# Altium PCB Netscale48HD_Sensorbar_Slave.PcbDoc (part 1 of 3)
Units mm, origin at the board's own origin, x right, y up, seen from the top; angles counter-clockwise.
Board outline 461.31 x 16.8 mm, 6 copper layers (Top Layer, PWR_Layer, Top_Signal_Layer, Bottom_Signal_Layer, GND_Layer, Bottom Layer), stack 0.778 mm thick; 214 components, 131 nets, 657 pads, 295 vias.
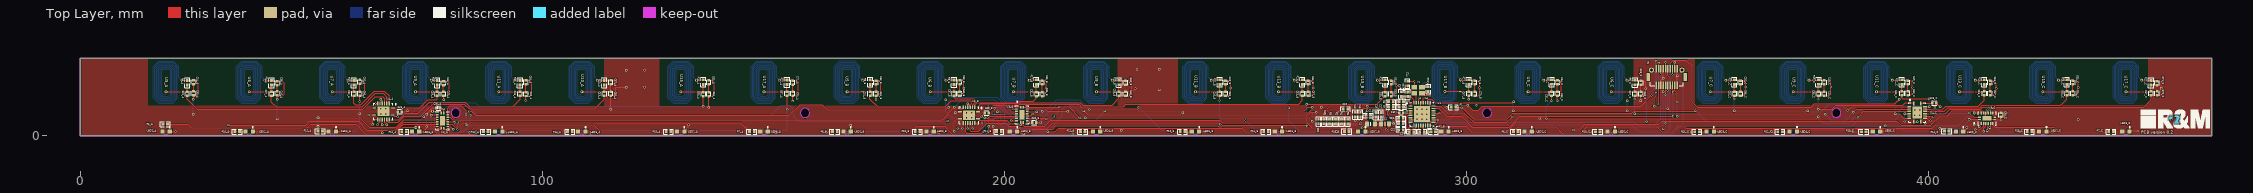
[diagram p0: Top Layer view]
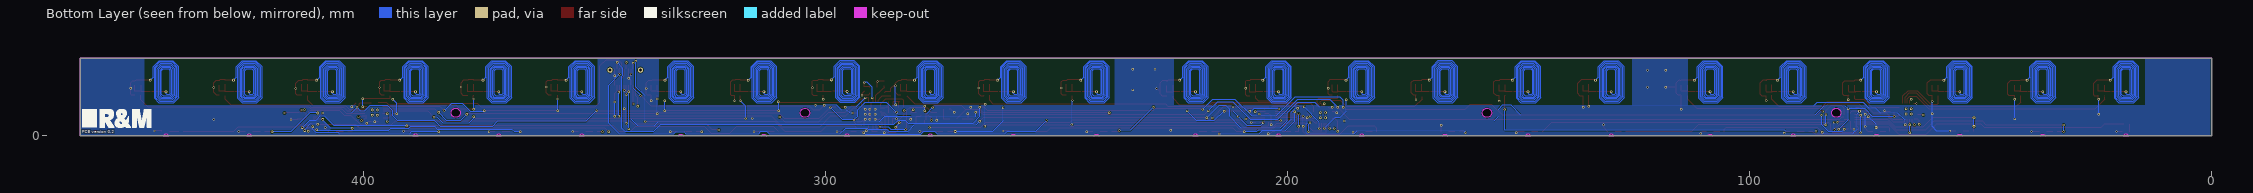
[diagram p1: Bottom Layer view, seen from below]
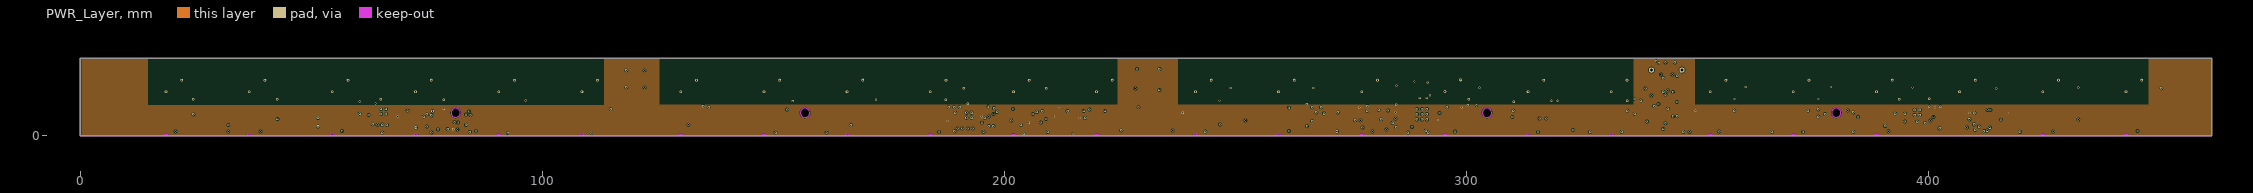
[diagram p2: PWR_Layer]
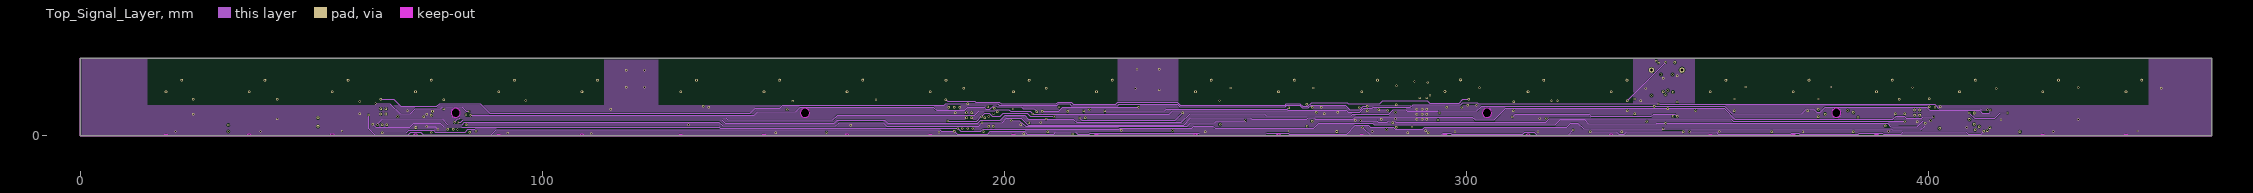
[diagram p3: Top_Signal_Layer]
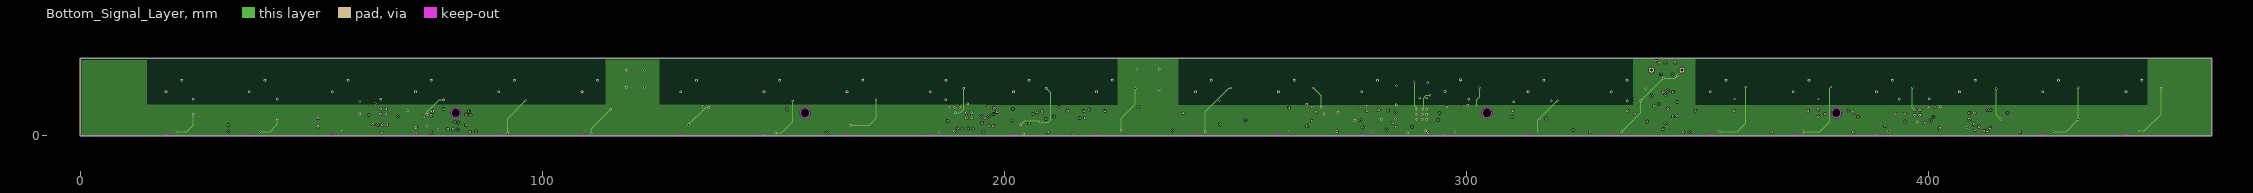
[diagram p4: Bottom_Signal_Layer]
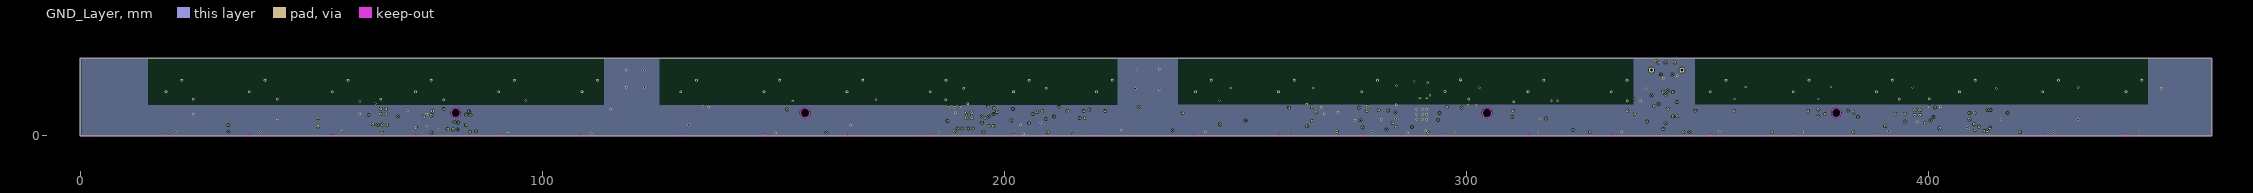
[diagram p5: GND_Layer]
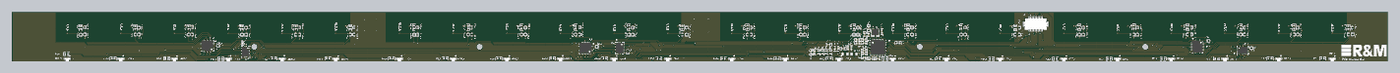
[diagram p8: 3D render of the assembled board from above, using the file's embedded part models]

## Layer stack, top to bottom
Top Solder: solder mask 0.0102, Solder Resist, Dk 3.5
Top Layer: signal copper 0.0356
Dielectric 4: prepreg 0.0711, PP-006, Dk 4.1
PWR_Layer: signal copper 0.035
Dielectric 1: core 0.1479, FR-4, Dk 4.2
Top_Signal_Layer: signal copper 0.036
Dielectric 2: prepreg 0.127, Dk 4.2
Bottom_Signal_Layer: signal copper 0.036
Dielectric 5: core 0.1479, FR-4, Dk 4.5
GND_Layer: signal copper 0.035
Dielectric 3: prepreg 0.0711, PP-006, Dk 4.1
Bottom Layer: signal copper 0.0356
Bottom Solder: solder mask 0.0102, Solder Resist, Dk 3.5

## Board outline
0,0 -0.006,16.8 461.3,16.8 461.301,0
cut-out: 379.05,5 ccw(c380.05,5) 380.05,4 ccw(c380.05,5) 381.05,5 ccw(c380.05,5) 380.05,6 ccw(c380.05,5)
cut-out: 303.45,5 ccw(c304.45,5) 304.45,4 ccw(c304.45,5) 305.45,5 ccw(c304.45,5) 304.45,6 ccw(c304.45,5)
cut-out: 155.85,5 ccw(c156.85,5) 156.85,4 ccw(c156.85,5) 157.85,5 ccw(c156.85,5) 156.85,6 ccw(c156.85,5)
cut-out: 80.25,5 ccw(c81.25,5) 81.25,4 ccw(c81.25,5) 82.25,5 ccw(c81.25,5) 81.25,6 ccw(c81.25,5)
cut-out: 442.185,0 cw(c442.75,-0.202) 443.315,0
cut-out: 424.194,0 cw(c424.75,-0.202) 425.306,0
cut-out: 388.185,0 cw(c388.75,-0.202) 389.315,0
cut-out: 370.185,0 cw(c370.75,-0.202) 371.315,0
cut-out: 352.185,0 cw(c352.75,-0.202) 353.315,0
cut-out: 330.785,0 331.915,0 ccw(c331.35,-0.202)
cut-out: 312.785,0 313.915,0 ccw(c313.35,-0.202)
cut-out: 294.786,0.002 cw(c295.35,-0.202) 295.914,0.002 295.914,0
cut-out: 276.785,0 cw(c277.35,-0.202) 277.915,0
cut-out: 258.785,0 259.915,0 ccw(c259.35,-0.202)
cut-out: 240.785,0 241.915,0 ccw(c241.35,-0.202)
cut-out: 219.385,0 cw(c219.95,-0.202) 220.515,0
cut-out: 201.383,0 cw(c201.95,-0.197) 202.517,0
cut-out: 183.385,0.001 cw(c183.95,-0.202) 184.515,0
cut-out: 165.385,0 166.515,0 ccw(c165.95,-0.202)
cut-out: 147.385,0.001 cw(c147.95,-0.202) 148.515,0
cut-out: 129.385,0 cw(c129.95,-0.202) 130.515,0.001 130.515,0
cut-out: 107.985,0 109.115,0 ccw(c108.55,-0.202)
cut-out: 89.985,0 cw(c90.55,-0.202) 91.115,0.001 91.115,0
cut-out: 71.985,0 73.115,0 ccw(c72.55,-0.202)
cut-out: 53.96,0 55.14,0 ccw(c54.55,-0.202)
cut-out: 35.985,0 37.115,0 ccw(c36.55,-0.202)
cut-out: 17.985,0 cw(c18.55,-0.202) 19.115,0

## Design rules (kind name [scope] priority, off if disabled: settings)
Clearance Clearance_BGA [WithinRoom('BGA') vs OnLayer('Top Layer')] p1: gap=0.08 ignorepadtopadclearanceinfootprint=TRUE
Clearance [All] p2: gap=0.127 ignorepadtopadclearanceinfootprint=TRUE
ComponentClearance [All] p1: gap=0 collisioncheckmode=3 verticalgap=0.15 showdistances=FALSE
HoleSize [All] p1: absolutevalues=TRUE maxlimit=2.54 minlimit=0.025 maxpercent=80.000 minpercent=20.000
HoleToHoleClearance [All] p1: gap=0.15 allowstackedmicrovias=TRUE
MinimumSolderMaskSliver [All] p1: minsoldermaskwidth=0
NetAntennae [All] p1: netantennaetolerance=1
PolygonConnect Via [IsVia] p1: connectstyle=Direct reliefconductorwidth=0.254 reliefentries=4 polygonreliefangle="90 Angle" airgapwidth=0.254
PolygonConnect [All] p2: connectstyle=Relief reliefconductorwidth=0.254 reliefentries=4 polygonreliefangle="90 Angle" airgapwidth=0.15
RoomDefinition Designator [InComponentClass('Designator')] p1: confinementstyle=ConfineIn formatcopy=TRUE lockcomponents=FALSE outline -0.738,0 461.812,0 461.812,16.921 -0.738,16.921
RoomDefinition Designator_1 [InComponentClass('Designator')] p2: confinementstyle=ConfineIn formatcopy=TRUE lockcomponents=FALSE outline -0.658,-0.007 461.843,-0.007 461.843,16.921 -0.658,16.921
RoutingVias RoutingVias_BGA [WithinRoom('BGA')] p1: holewidth=0.1 width=0.25 viastyle="Through Hole" minholewidth=0.1 minwidth=0.25 maxholewidth=0.1 maxwidth=0.25
RoutingVias [All] p2: holewidth=0.3 width=0.5 viastyle="Through Hole" minholewidth=0.3 minwidth=0.5 maxholewidth=0.3 maxwidth=1.27
SilkToSilkClearance [All] p1: silktosilkclearance=0
SilkToSolderMaskClearance [IsPad] p1: minsilkscreentomaskgap=0 clearancetoexposedcopper=TRUE
SolderMaskExpansion [All] p1: expansion=0.102
Width width_BGA [WithinRoom('BGA')] p1: maxlimit=0.5 minlimit=0.13 preferedwidth=0.15 toplayer_prefwidth=0.13 midlayer1_minwidth=0.15 midlayer2_minwidth=0.15 midlayer3_prefwidth=0.13 midlayer4_prefwidth=0.13 bottomlayer_minwidth=0.15 minimp=50.000000 maximp=50.000000 favimp=50.000000
Width [All] p2: maxlimit=0.508 minlimit=0.15 preferedwidth=0.203 toplayer_minwidth=0.152 midlayer1_minwidth=0.152 midlayer2_minwidth=0.152 midlayer3_maxwidth=0.5 midlayer3_prefwidth=0.15 midlayer4_maxwidth=0.5 midlayer4_prefwidth=0.15 bottomlayer_minwidth=0.152 minimp=50.000000 maximp=50.000000 favimp=50.000000
23 further rules are at their usual default settings.

## Classes and differential pairs
channel class Netscale48HD_Antenna_Selector: A B C
component class Designator: *1 C1 C2 C3 C4 C5 C6 C7 C8 C9 C10 C11 C12 C13 C14 C15 C16 C17 C18 C19 C20 C21 FB1 L1 L2 R1 R2 R3 R4 R5 U1 Y1
net class S0A[1..3]: S0A1 S0A2 S0A3
net class OE[1..3]: OE1 OE2 OE3

## Components (designator, comment, footprint, x,y, rotation, side; value= is the part's Value field where it differs from the comment)
*1 "Reichle & De-Massari Logo" SYMBOL_R&M 453.465,3.548 r0 top
*2 "Reichle & De-Massari Logo" SYMBOL_R&M 453.389,3.557 r180 top value=Overlay
C1 "10nF" "Ceramic Capacitor 0402 EIA" 290.39,0.934 r180 top
C2 "2.2uF" "Ceramic Capacitor 0402 EIA" 288.097,0.939 r0 top
C3 "10nF" "Ceramic Capacitor 0402 EIA" 285.871,9.054 r270 top
C4 "2.2uF" "Ceramic Capacitor 0402 EIA" 287.291,9.039 r270 top
C5 "10nF" "Ceramic Capacitor 0402 EIA" 285.896,7.375 r0 top
C6 "2.2uF" "Ceramic Capacitor 0402 EIA" 285.896,6.223 r0 top
C7 "10nF" "Ceramic Capacitor 0402 EIA" 283.658,6.232 r180 top
C8 "2.2uF" "Ceramic Capacitor 0402 EIA" 283.658,7.375 r180 top
C9 "10nF" "Ceramic Capacitor 0402 EIA" 285.825,2.62 r0 top
C10 "2.2uF" "Ceramic Capacitor 0402 EIA" 285.825,3.81 r0 top
C11 "10pF" "Ceramic Capacitor 0402 EIA" 278.743,4.444 r0 top
C12 "3.3nF" "Ceramic Capacitor 0402 EIA" 285.825,1.372 r0 top
C13 "15pF" "Ceramic Capacitor 0402 EIA" 291.757,10.135 r90 top
C14 "15pF" "Ceramic Capacitor 0402 EIA" 287.276,11.353 r270 top
C15 "1.2nF" "Ceramic Capacitor 0402 EIA" 277.08,4.615 r270 top
C16 "3.3nF" "Ceramic Capacitor 0402 EIA" 280.384,4.597 r270 top
C17 "3.3nF" "Ceramic Capacitor 0402 EIA" 281.527,4.597 r90 top
C18 "1.2nF" "Ceramic Capacitor 0402 EIA" 275.937,4.615 r90 top
C19 "2.2uF" "Ceramic Capacitor 0402 EIA" 273.84,5.808 r0 top
C20 "2.2uF" "Ceramic Capacitor 0402 EIA" 269.145,3.12 r270 top
C21 "10nF" "Ceramic Capacitor 0402 EIA" 267.986,3.12 r270 top
C28_A "LMK105BJ104KV-F" CAPC1005X55N 69.124,5.25 r180 top value=100nF (schematic designator C28)
C28_B "LMK105BJ104KV-F" CAPC1005X55N 196.163,4.973 r180 top value=100nF (schematic designator C28)
C28_C "LMK105BJ104KV-F" CAPC1005X55N 401.248,7.1 r180 top value=100nF (schematic designator C28)
C30_A "LMK105BJ104KV-F" CAPC1005X55N 77.482,6.05 r0 top value=100nF (schematic designator C30)
C30_B "LMK105BJ104KV-F" CAPC1005X55N 206.47,2.896 r180 top value=100nF (schematic designator C30)
C30_C "LMK105BJ104KV-F" CAPC1005X55N 415.692,4.546 r90 top value=100nF (schematic designator C30)
C31_A "GCM1555C1H221FA16D" CAPC1005X55N 23.132,9.088 r90 top value=220pF (schematic designator C31)
C31_B "GCM1555C1H221FA16D" CAPC1005X55N 170.942,9.135 r90 top value=220pF (schematic designator C31)
C31_C "GCM1555C1H221FA16D" CAPC1005X55N 318.428,9.149 r90 top value=220pF (schematic designator C31)
C32_A "GCM1555C1H221FA16D" CAPC1005X55N 59.212,9.136 r90 top value=220pF (schematic designator C32)
C32_B "GCM1555C1H221FA16D" CAPC1005X55N 206.927,9.073 r90 top value=220pF (schematic designator C32)
C32_C "GCM1555C1H221FA16D" CAPC1005X55N 357.992,9.119 r90 top value=220pF (schematic designator C32)
C33_A "GRM1555C1H151FA01D" CAPC1005X55N 24.492,9.198 r90 top value=150pF (schematic designator C33)
C33_B "GRM1555C1H151FA01D" CAPC1005X55N 172.212,11.565 r270 top value=150pF (schematic designator C33)
C33_C "GRM1555C1H151FA01D" CAPC1005X55N 319.698,9.149 r90 top value=150pF (schematic designator C33)
C34_A "GJM1555C1H4R7WB01D" CAPC1005X55N 24.492,11.638 r270 top value=4.7pF (schematic designator C34)
C34_B "GJM1555C1H4R7WB01D" CAPC1005X55N 172.212,9.135 r90 top value=4.7pF (schematic designator C34)
C34_C "GJM1555C1H4R7WB01D" CAPC1005X55N 319.698,11.591 r270 top value=4.7pF (schematic designator C34)
C35_A "GRM1555C1H151FA01D" CAPC1005X55N 60.482,11.678 r270 top value=150pF (schematic designator C35)
C35_B "GRM1555C1H151FA01D" CAPC1005X55N 208.197,9.073 r90 top value=150pF (schematic designator C35)
C35_C "GRM1555C1H151FA01D" CAPC1005X55N 359.338,11.565 r270 top value=150pF (schematic designator C35)
C36_A "GJM1555C1H4R7WB01D" CAPC1005X55N 60.482,9.126 r90 top value=4.7pF (schematic designator C36)
C36_B "GJM1555C1H4R7WB01D" CAPC1005X55N 208.197,11.565 r270 top value=4.7pF (schematic designator C36)
C36_C "GJM1555C1H4R7WB01D" CAPC1005X55N 359.341,9.102 r90 top value=4.7pF (schematic designator C36)
C37_A "GCM1555C1H221FA16D" CAPC1005X55N 41.365,9.11 r90 top value=220pF (schematic designator C37)
C37_B "GCM1555C1H221FA16D" CAPC1005X55N 189.092,9.123 r90 top value=220pF (schematic designator C37)
C37_C "GCM1555C1H221FA16D" CAPC1005X55N 336.485,9.103 r90 top value=220pF (schematic designator C37)
C38_A "GRM1555C1H151FA01D" CAPC1005X55N 42.642,11.438 r270 top value=150pF (schematic designator C38)
C38_B "GRM1555C1H151FA01D" CAPC1005X55N 190.311,11.65 r270 top value=150pF (schematic designator C38)
C38_C "GRM1555C1H151FA01D" CAPC1005X55N 337.755,11.489 r270 top value=150pF (schematic designator C38)
C39_A "GCM1555C1H221FA16D" CAPC1005X55N 77.202,9.096 r90 top value=220pF (schematic designator C39)
C39_B "GCM1555C1H221FA16D" CAPC1005X55N 224.791,9.108 r90 top value=220pF (schematic designator C39)
C39_C "GCM1555C1H221FA16D" CAPC1005X55N 376.194,9.107 r90 top value=220pF (schematic designator C39)
C40_A "GJM1555C1H4R7WB01D" CAPC1005X55N 42.635,9.19 r90 top value=4.7pF (schematic designator C40)
C40_B "GJM1555C1H4R7WB01D" CAPC1005X55N 190.286,9.123 r90 top value=4.7pF (schematic designator C40)
C40_C "GJM1555C1H4R7WB01D" CAPC1005X55N 337.755,9.103 r90 top value=4.7pF (schematic designator C40)
C42_A "GRM1555C1H151FA01D" CAPC1005X55N 78.593,9.096 r90 top value=150pF (schematic designator C42)
C42_B "GRM1555C1H151FA01D" CAPC1005X55N 226.199,11.507 r270 top value=150pF (schematic designator C42)
C42_C "GRM1555C1H151FA01D" CAPC1005X55N 377.464,9.107 r90 top value=150pF (schematic designator C42)
C43_A "GJM1555C1H4R7WB01D" CAPC1005X55N 78.593,11.438 r270 top value=4.7pF (schematic designator C43)
C43_B "GJM1555C1H4R7WB01D" CAPC1005X55N 226.199,9.092 r90 top value=4.7pF (schematic designator C43)
C43_C "GJM1555C1H4R7WB01D" CAPC1005X55N 377.464,11.591 r270 top value=4.7pF (schematic designator C43)
C46_A "GCM1555C1H221FA16D" CAPC1005X55N 95.166,9.098 r90 top value=220pF (schematic designator C46)
C46_B "GCM1555C1H221FA16D" CAPC1005X55N 246.593,9.14 r90 top value=220pF (schematic designator C46)
C46_C "GCM1555C1H221FA16D" CAPC1005X55N 394.233,9.199 r90 top value=220pF (schematic designator C46)
C49_A "GRM1555C1H151FA01D" CAPC1005X55N 96.436,9.074 r90 top value=150pF (schematic designator C49)
C49_B "GRM1555C1H151FA01D" CAPC1005X55N 247.863,11.565 r270 top value=150pF (schematic designator C49)
C49_C "GRM1555C1H151FA01D" CAPC1005X55N 395.503,11.565 r270 top value=150pF (schematic designator C49)
C50_A "GJM1555C1H4R7WB01D" CAPC1005X55N 96.436,11.608 r270 top value=4.7pF (schematic designator C50)
C50_B "GJM1555C1H4R7WB01D" CAPC1005X55N 247.863,9.12 r90 top value=4.7pF (schematic designator C50)
C50_C "GJM1555C1H4R7WB01D" CAPC1005X55N 395.503,9.228 r90 top value=4.7pF (schematic designator C50)
C53_A "GCM1555C1H221FA16D" CAPC1005X55N 113.413,9.144 r90 top value=220pF (schematic designator C53)
C53_B "GCM1555C1H221FA16D" CAPC1005X55N 264.495,9.123 r90 top value=220pF (schematic designator C53)
C53_C "GCM1555C1H221FA16D" CAPC1005X55N 412.083,9.195 r90 top value=220pF (schematic designator C53)
C56_A "GRM1555C1H151FA01D" CAPC1005X55N 114.795,9.149 r90 top value=150pF (schematic designator C56)
C56_B "GRM1555C1H151FA01D" CAPC1005X55N 265.765,11.565 r270 top value=150pF (schematic designator C56)
C56_C "GRM1555C1H151FA01D" CAPC1005X55N 413.362,11.565 r270 top value=150pF (schematic designator C56)
C57_A "GJM1555C1H4R7WB01D" CAPC1005X55N 114.795,11.618 r270 top value=4.7pF (schematic designator C57)
C57_B "GJM1555C1H4R7WB01D" CAPC1005X55N 265.765,9.123 r90 top value=4.7pF (schematic designator C57)
C57_C "GJM1555C1H4R7WB01D" CAPC1005X55N 413.362,9.218 r90 top value=4.7pF (schematic designator C57)
C60_A "GCM1555C1H221FA16D" CAPC1005X55N 134.839,9.054 r90 top value=220pF (schematic designator C60)
C60_B "GCM1555C1H221FA16D" CAPC1005X55N 282.399,9.063 r90 top value=220pF (schematic designator C60)
C60_C "GCM1555C1H221FA16D" CAPC1005X55N 429.971,9.202 r90 top value=220pF (schematic designator C60)
C63_A "GRM1555C1H151FA01D" CAPC1005X55N 136.007,11.588 r270 top value=150pF (schematic designator C63)
C63_B "GRM1555C1H151FA01D" CAPC1005X55N 283.72,9.063 r90 top value=150pF (schematic designator C63)
C63_C "GRM1555C1H151FA01D" CAPC1005X55N 431.241,11.565 r270 top value=150pF (schematic designator C63)
C64_A "GJM1555C1H4R7WB01D" CAPC1005X55N 136.007,9.054 r90 top value=4.7pF (schematic designator C64)
C64_B "GJM1555C1H4R7WB01D" CAPC1005X55N 283.72,11.565 r270 top value=4.7pF (schematic designator C64)
C64_C "GJM1555C1H4R7WB01D" CAPC1005X55N 431.241,9.202 r90 top value=4.7pF (schematic designator C64)
C67_A "GCM1555C1H221FA16D" CAPC1005X55N 152.942,9.151 r90 top value=220pF (schematic designator C67)
C67_B "GCM1555C1H221FA16D" CAPC1005X55N 300.516,9.149 r90 top value=220pF (schematic designator C67)
C67_C "GCM1555C1H221FA16D" CAPC1005X55N 448.177,9.198 r90 top value=220pF (schematic designator C67)
C70_A "GRM1555C1H151FA01D" CAPC1005X55N 154.187,9.149 r90 top value=150pF (schematic designator C70)
C70_B "GRM1555C1H151FA01D" CAPC1005X55N 301.786,9.1 r90 top value=150pF (schematic designator C70)
C70_C "GRM1555C1H151FA01D" CAPC1005X55N 449.51,9.198 r90 top value=150pF (schematic designator C70)
C71_A "GJM1555C1H4R7WB01D" CAPC1005X55N 154.187,11.54 r270 top value=4.7pF (schematic designator C71)
C71_B "GJM1555C1H4R7WB01D" CAPC1005X55N 301.786,11.565 r270 top value=4.7pF (schematic designator C71)
C71_C "GJM1555C1H4R7WB01D" CAPC1005X55N 449.488,11.438 r270 top value=4.7pF (schematic designator C71)
FB1 "BK1005HS102-T" CAPC1005X55N 285.871,5.029 r180 top
J3 "DF12-20DS-0.5V(86)" DF12-20DS 343.35,12.75 r0 top
L1 "HK1608R10J-T" "INDUCTOR 0603 EIA" 282.391,2.591 r180 top value=100nH
L2 "HK1608R10J-T" "INDUCTOR 0603 EIA" 279.343,2.591 r180 top value=100nH
LED1_A "APA1606SURCK" KINGBRIGHT_SMD_2_RWH 18.549,0.95 r180 top (schematic designator LED1)
LED1_B "APA1606SURCK" KINGBRIGHT_SMD_2_RWH 165.948,0.95 r180 top (schematic designator LED1)
LED1_C "APA1606SURCK" KINGBRIGHT_SMD_2_RWH 313.353,0.95 r180 top (schematic designator LED1)
LED2_A "APA1606SURCK" KINGBRIGHT_SMD_2_RWH 36.534,0.95 r180 top (schematic designator LED2)
LED2_B "APA1606SURCK" KINGBRIGHT_SMD_2_RWH 183.911,0.95 r180 top (schematic designator LED2)
LED2_C "APA1606SURCK" KINGBRIGHT_SMD_2_RWH 331.35,0.95 r180 top (schematic designator LED2)
LED3_A "APA1606SURCK" KINGBRIGHT_SMD_2_RWH 54.54,0.95 r180 top (schematic designator LED3)
LED3_B "APA1606SURCK" KINGBRIGHT_SMD_2_RWH 201.948,0.95 r180 top (schematic designator LED3)
LED3_C "APA1606SURCK" KINGBRIGHT_SMD_2_RWH 352.75,0.95 r180 top (schematic designator LED3)
LED4_A "APA1606SURCK" KINGBRIGHT_SMD_2_RWH 72.549,0.95 r180 top (schematic designator LED4)
LED4_B "APA1606SURCK" KINGBRIGHT_SMD_2_RWH 219.95,0.95 r180 top (schematic designator LED4)
LED4_C "APA1606SURCK" KINGBRIGHT_SMD_2_RWH 370.75,0.95 r180 top (schematic designator LED4)
LED5_A "APA1606SURCK" KINGBRIGHT_SMD_2_RWH 90.54,0.95 r180 top (schematic designator LED5)
LED5_B "APA1606SURCK" KINGBRIGHT_SMD_2_RWH 241.355,0.95 r180 top (schematic designator LED5)
LED5_C "APA1606SURCK" KINGBRIGHT_SMD_2_RWH 388.75,0.95 r180 top (schematic designator LED5)
LED6_A "APA1606SURCK" KINGBRIGHT_SMD_2_RWH 108.546,0.95 r180 top (schematic designator LED6)
LED6_B "APA1606SURCK" KINGBRIGHT_SMD_2_RWH 259.297,0.95 r180 top (schematic designator LED6)
LED6_C "APA1606SURCK" KINGBRIGHT_SMD_2_RWH 406.745,0.95 r180 top (schematic designator LED6)
LED7_A "APA1606SURCK" KINGBRIGHT_SMD_2_RWH 129.928,0.95 r180 top (schematic designator LED7)
LED7_B "APA1606SURCK" KINGBRIGHT_SMD_2_RWH 277.35,0.95 r180 top (schematic designator LED7)
LED7_C "APA1606SURCK" KINGBRIGHT_SMD_2_RWH 424.751,0.95 r180 top (schematic designator LED7)
LED8_A "APA1606SURCK" KINGBRIGHT_SMD_2_RWH 147.969,0.95 r180 top (schematic designator LED8)
LED8_B "APA1606SURCK" KINGBRIGHT_SMD_2_RWH 295.34,0.95 r180 top (schematic designator LED8)
LED8_C "APA1606SURCK" KINGBRIGHT_SMD_2_RWH 442.75,0.95 r180 top (schematic designator LED8)
R1 "1K" "Resistor 0402 EIA" 297.199,6.223 r0 top
R2 "1K" "Resistor 0402 EIA" 271.672,3.099 r270 top
R3 "1K" "Resistor 0402 EIA" 270.377,3.099 r90 top
R4 "10K" "Resistor 0402 EIA" 272.974,3.099 r90 top
R5 "10K" "Resistor 0402 EIA" 274.343,3.099 r270 top
R6_A "CRGP0402F68R" RESC1005X40N 18.372,2.514 r180 top value=68R (schematic designator R6)
R6_B "CRGP0402F68R" RESC1005X40N 163.298,0.95 r0 top value=68R (schematic designator R6)
R6_C "CRGP0402F68R" RESC1005X40N 310.661,0.945 r0 top value=68R (schematic designator R6)
R7_A "CRGP0402F68R" RESC1005X40N 145.338,0.95 r0 top value=68R (schematic designator R7)
R7_B "CRGP0402F68R" RESC1005X40N 292.835,0.892 r0 top value=68R (schematic designator R7)
R7_C "CRGP0402F68R" RESC1005X40N 439.538,0.95 r0 top value=68R (schematic designator R7)
R8_A "ERJ-2RKF6200X" RESC1005X40N 23.132,11.52 r270 top value=620 (schematic designator R8)
R8_B "ERJ-2RKF6200X" RESC1005X40N 170.942,11.647 r270 top value=620 (schematic designator R8)
R8_C "ERJ-2RKF6200X" RESC1005X40N 318.428,11.672 r270 top value=620 (schematic designator R8)
R9_A "ERJ-2RKF6200X" RESC1005X40N 41.365,11.52 r270 top value=620 (schematic designator R9)
R9_B "ERJ-2RKF6200X" RESC1005X40N 189.092,11.622 r270 top value=620 (schematic designator R9)
R9_C "ERJ-2RKF6200X" RESC1005X40N 336.485,11.571 r270 top value=620 (schematic designator R9)
R10_A "CRGP0402F68R" RESC1005X40N 33.944,0.95 r0 top value=68R (schematic designator R10)
R10_B "CRGP0402F68R" RESC1005X40N 181.212,0.95 r0 top value=68R (schematic designator R10)
R10_C "CRGP0402F68R" RESC1005X40N 328.437,0.915 r0 top value=68R (schematic designator R10)
R11_A "CRGP0402F68R" RESC1005X40N 51.94,1.029 r0 top value=68R (schematic designator R11)
R11_B "CRGP0402F68R" RESC1005X40N 198.804,0.95 r0 top value=68R (schematic designator R11)
R11_C "CRGP0402F68R" RESC1005X40N 349.917,0.889 r0 top value=68R (schematic designator R11)
R12_A "CRGP0402F68R" RESC1005X40N 70.06,0.92 r0 top value=68R (schematic designator R12)
R12_B "CRGP0402F68R" RESC1005X40N 216.947,0.934 r0 top value=68R (schematic designator R12)
R12_C "CRGP0402F68R" RESC1005X40N 367.895,0.889 r0 top value=68R (schematic designator R12)
R13_A "CRGP0402F68R" RESC1005X40N 87.755,0.95 r0 top value=68R (schematic designator R13)
R13_B "CRGP0402F68R" RESC1005X40N 238.577,0.934 r0 top value=68R (schematic designator R13)
R13_C "CRGP0402F68R" RESC1005X40N 386.004,0.889 r0 top value=68R (schematic designator R13)
R14_A "CRGP0402F68R" RESC1005X40N 105.963,0.95 r0 top value=68R (schematic designator R14)
R14_B "CRGP0402F68R" RESC1005X40N 256.629,0.934 r0 top value=68R (schematic designator R14)
R14_C "CRGP0402F68R" RESC1005X40N 403.97,1 r0 top value=68R (schematic designator R14)
R15_A "CRGP0402F68R" RESC1005X40N 127.308,0.95 r0 top value=68R (schematic designator R15)
R15_B "CRGP0402F68R" RESC1005X40N 274.09,0.96 r0 top value=68R (schematic designator R15)
R15_C "CRGP0402F68R" RESC1005X40N 421.89,0.95 r0 top value=68R (schematic designator R15)
R17_A "ERJ-2RKF6200X" RESC1005X40N 59.212,11.52 r270 top value=620 (schematic designator R17)
R17_B "ERJ-2RKF6200X" RESC1005X40N 206.927,11.647 r270 top value=620 (schematic designator R17)
R17_C "ERJ-2RKF6200X" RESC1005X40N 357.992,11.647 r270 top value=620 (schematic designator R17)
R19_A "ERJ-2RKF6200X" RESC1005X40N 77.242,11.52 r270 top value=620 (schematic designator R19)
R19_B "ERJ-2RKF6200X" RESC1005X40N 224.788,11.572 r270 top value=620 (schematic designator R19)
R19_C "ERJ-2RKF6200X" RESC1005X40N 376.194,11.672 r270 top value=620 (schematic designator R19)
R21_A "ERJ-2RKF6200X" RESC1005X40N 95.166,11.52 r270 top value=620 (schematic designator R21)
R21_B "ERJ-2RKF6200X" RESC1005X40N 246.593,11.647 r270 top value=620 (schematic designator R21)
R21_C "ERJ-2RKF6200X" RESC1005X40N 394.233,11.647 r270 top value=620 (schematic designator R21)
R23_A "ERJ-2RKF6200X" RESC1005X40N 113.413,11.52 r270 top value=620 (schematic designator R23)
R23_B "ERJ-2RKF6200X" RESC1005X40N 264.495,11.647 r270 top value=620 (schematic designator R23)
R23_C "ERJ-2RKF6200X" RESC1005X40N 412.092,11.647 r270 top value=620 (schematic designator R23)
R25_A "ERJ-2RKF6200X" RESC1005X40N 134.839,11.647 r270 top value=620 (schematic designator R25)
R25_B "ERJ-2RKF6200X" RESC1005X40N 282.399,11.647 r270 top value=620 (schematic designator R25)
R25_C "ERJ-2RKF6200X" RESC1005X40N 429.971,11.647 r270 top value=620 (schematic designator R25)
R27_A "ERJ-2RKF6200X" RESC1005X40N 152.942,11.622 r270 top value=620 (schematic designator R27)
R27_B "ERJ-2RKF6200X" RESC1005X40N 300.516,11.647 r270 top value=620 (schematic designator R27)
R27_C "ERJ-2RKF6200X" RESC1005X40N 448.163,11.5 r270 top value=620 (schematic designator R27)
U1 "TRF7960ARHBT" TEXASINSTRUMENTS_32-VFQFN_32_R 290.39,4.708 r0 top
U3_A "74AHC595BQ,115" NEXPERIAUSAINC_16-VFQFN_16_R 78.392,3.3 r270 top (schematic designator U3)
U3_B "74AHC595BQ,115" NEXPERIAUSAINC_16-VFQFN_16_R 203.798,4.573 r270 top (schematic designator U3)
U3_C "74AHC595BQ,115" NEXPERIAUSAINC_16-VFQFN_16_R 412.692,3.816 r0 top (schematic designator U3)
U4_A "SN74CBTLV3251" TEXASINSTRUMENTS_16-VFQFN_16_R 65.592,5.3 r180 top (schematic designator U4)
U4_B "SN74CBTLV3251" TEXASINSTRUMENTS_16-VFQFN_16_R 192.342,4.487 r180 top (schematic designator U4)
U4_C "SN74CBTLV3251" TEXASINSTRUMENTS_16-VFQFN_16_R 397.568,5.068 r270 top (schematic designator U4)
U5_A "antenna" ANTENNA_1_LAYER 18.549,11.656 r0 top net-tie (schematic designator U5)
U5_B "antenna" ANTENNA_1_LAYER 165.956,11.676 r0 top net-tie (schematic designator U5)
U5_C "antenna" ANTENNA_1_LAYER 313.352,11.656 r0 top net-tie (schematic designator U5)
U6_A "antenna" ANTENNA_1_LAYER 36.544,11.656 r0 top net-tie (schematic designator U6)
U6_B "antenna" ANTENNA_1_LAYER 183.957,11.656 r0 top net-tie (schematic designator U6)
U6_C "antenna" ANTENNA_1_LAYER 331.347,11.666 r0 top net-tie (schematic designator U6)
U7_A "antenna" ANTENNA_1_LAYER 54.546,11.656 r0 top net-tie (schematic designator U7)
U7_B "antenna" ANTENNA_1_LAYER 201.948,11.656 r0 top net-tie (schematic designator U7)
U7_C "antenna" ANTENNA_1_LAYER 352.76,11.656 r0 top net-tie (schematic designator U7)
U9_A "antenna" ANTENNA_1_LAYER 72.55,11.666 r0 top net-tie (schematic designator U9)
U9_B "antenna" ANTENNA_1_LAYER 219.945,11.666 r0 top net-tie (schematic designator U9)
U9_C "antenna" ANTENNA_1_LAYER 370.747,11.666 r0 top net-tie (schematic designator U9)
U11_A "antenna" ANTENNA_1_LAYER 90.546,11.656 r0 top net-tie (schematic designator U11)
U11_B "antenna" ANTENNA_1_LAYER 241.355,11.666 r0 top net-tie (schematic designator U11)
U11_C "antenna" ANTENNA_1_LAYER 388.755,11.666 r0 top net-tie (schematic designator U11)
U13_A "antenna" ANTENNA_1_LAYER 108.547,11.656 r0 top net-tie (schematic designator U13)
U13_B "antenna" ANTENNA_1_LAYER 259.347,11.666 r0 top net-tie (schematic designator U13)
U13_C "antenna" ANTENNA_1_LAYER 406.745,11.666 r0 top net-tie (schematic designator U13)
U15_A "antenna" ANTENNA_1_LAYER 129.953,11.656 r0 top net-tie (schematic designator U15)
U15_B "antenna" ANTENNA_1_LAYER 277.357,11.666 r0 top net-tie (schematic designator U15)
U15_C "antenna" ANTENNA_1_LAYER 424.751,11.666 r0 top net-tie (schematic designator U15)
U17_A "antenna" ANTENNA_1_LAYER 147.957,11.666 r0 top net-tie (schematic designator U17)
U17_B "antenna" ANTENNA_1_LAYER 295.34,11.722 r0 top net-tie (schematic designator U17)
U17_C "antenna" ANTENNA_1_LAYER 442.758,11.666 r0 top net-tie (schematic designator U17)
Y1 "CX2520DB13560H0FLJC1" AVX/KYOCERA_DFN4_4_RWH 289.537,9.92 r270 top

## Footprints (in the part's own frame and the unit in brackets; to place one, negate y for a bottom-side part, rotate by r counter-clockwise, add the part's x,y. Pads: shape width x height; smd on the part's side, far side on the other; paste and mask are expansions set on the pad)
ANTENNA_1_LAYER [mm] "antenna 1 layer"
  rect 0.6x0.15 smd paste-1: 1(3.377,-2.093)
  round 0.6 hole 0.3: 2(3.402,0.411)
  Top Layer lines w0.152: 0,-2.093 3.1,-2.093
  Bottom Layer lines w0.152: 0,-2.1 0,-2.45 -0.275,-2.725 -0.7,-2.725 -0.973,-2.452 -0.973,2.452 -0.675,2.75 0.675,2.75 0.977,2.448 0.977,-2.6 ; 0.975,-2.6 0.525,-3.05 -0.825,-3.05 -1.275,-2.6 -1.275,2.6 -0.825,3.05 0.825,3.05 1.275,2.6 1.275,-2.9 0.825,-3.35 -0.975,-3.35 -1.573,-2.752 -1.573,2.752 -0.975,3.35 0.975,3.35 1.577,2.748 1.577,-3.048 0.975,-3.65 -1.125,-3.65 -1.873,-2.902 -1.873,2.902 -1.125,3.65 1.125,3.65 1.875,2.9 1.875,-3.2 1.125,-3.95 -1.275,-3.95 -2.173,-3.052 -2.173,3.052 -1.275,3.95 1.275,3.95 2.177,3.048 ; 2.177,3.05 2.177,-3.325 2.177,-3.348 1.275,-4.25 -1.425,-4.25 -2.473,-3.202 -2.473,-3.175 -2.473,3.202 -1.425,4.25 1.425,4.25 2.475,3.2 2.475,-3.5 1.425,-4.55 -1.575,-4.55 -2.775,-3.35 -2.775,3.35 -1.575,4.55 1.575,4.55 2.775,3.35 2.775,1.038 3.207,0.607
AVX/KYOCERA_DFN4_4_RWH [mm]
  rect 1x1.2 smd: 1(-0.65,0.85) 2(-0.65,-0.85) 3(0.65,-0.85) 4(0.65,0.85)
  silkscreen extent -1.1,1.65 -1,1.75, body extent -1.05,-1.45 1.5,1.45, height 0.55
CAPC1005X55N [mm]
  rect 0.54x0.6 smd: 1(-0.43,0) 2(0.43,0)
  silkscreen extent -0.5,-0.48 0.5,0.48
"Ceramic Capacitor 0402 EIA" [mm]
  round 0.2 on Mech15: 0(0,0)
  rrect20% 0.6x0.5 smd: 1(-0.5,0) 2(0.5,0)
  Top Layer pour cut-out: -0.325,0.375 -0.2,0.5 0.2,0.5 0.325,0.375 0.325,-0.375 0.2,-0.5 -0.2,-0.5 -0.325,-0.375
  silkscreen extent -1.05,-0.5 1.05,0.5, body extent -0.52,-0.27 0.53,0.28, height 0.55
DF12-20DS [mm]
  rect 0.3x1.6 smd: 1(-2.25,-1.8) 2(-2.25,1.8) 3(-1.75,-1.8) 4(-1.75,1.8) 5(-1.25,-1.8) 6(-1.25,1.8) 7(-0.75,-1.8) 8(-0.75,1.8) 9(-0.25,-1.8) 10(-0.25,1.8) 11(0.25,-1.8) 12(0.25,1.8) 13(0.75,-1.8) 14(0.75,1.8) 15(1.25,-1.8) 16(1.25,1.8) 17(1.75,-1.8) 18(1.75,1.8) 19(2.25,-1.8) 20(2.25,1.8)
  round 1.15 hole 0.65: 21(-3.3,1.5) 24(3.3,1.5)
  rect 0.8x1.8 smd: 22(-4,0) 23(4,0)
  silkscreen extent -3.6,-1.9 3.6,-1.13, body extent -4.05,-2.3 4.05,2.3, height 2.7
"INDUCTOR 0603 EIA" [mm]
  round 0.254 on Mech15: 0(0,0)
  rrect25% 0.9x1 smd: 1(-0.85,0) 2(0.85,0)
  Top Layer pour cut-out: -0.6,0.5 -0.4,0.7 0.4,0.7 0.6,0.5 0.6,-0.5 0.4,-0.7 -0.4,-0.7 -0.6,-0.5
  silkscreen extent 0,-0.4 0,0.4, body extent -0.87,-0.47 0.88,0.48, height 0.54
KINGBRIGHT_SMD_2_RWH [mm] "Kingbright_SMD_2_RWH"
  rect 0.9x0.9 smd: 1(-0.8,0) 2(0.8,0)
  silkscreen extent -0.93,-1.07 -0.68,-0.83, body extent -0.8,-0.3 0.8,0.9, height 0.6
NEXPERIAUSAINC_16-VFQFN_16_R [mm]
  rect 0.6x0.3 smd: 1(-1.65,-0.25) 8(1.65,-0.25) 9(1.65,0.25) 16(-1.65,0.25)
  rect 0.3x0.6 smd: 2(-1.25,-1.15) 3(-0.75,-1.15) 4(-0.25,-1.15) 5(0.25,-1.15) 6(0.75,-1.15) 7(1.25,-1.15) 10(1.25,1.15) 11(0.75,1.15) 12(0.25,1.15) 13(-0.25,1.15) 14(-0.75,1.15) 15(-1.25,1.15)
  rect 2x1 smd: 17(0,0)
  silkscreen extent -2.92,-1.45 1.95,1.45, body extent -1.85,-1.35 1.85,1.35, height 1
RESC1005X40N [mm] "Chip Resistor, Body 1.0x0.5mm, EIA 0402, IPC Medium Density"
  round 0.2 on Mech15: 0(0,0)
  rrect20% 0.6x0.6 smd: 1(-0.5,0) 2(0.5,0)
  Top Layer pour cut-out: -0.325,0.375 -0.2,0.5 0.2,0.5 0.325,0.375 0.325,-0.375 0.2,-0.5 -0.2,-0.5 -0.325,-0.375
  silkscreen extent -1.05,-0.55 1.05,0.55, body extent -0.52,-0.27 0.53,0.28, height 0.4
"Resistor 0402 EIA" [mm]
  round 0.2 on Mech15: 0(0,0)
  rrect20% 0.6x0.6 smd: 1(-0.5,0) 2(0.5,0)
  Top Layer pour cut-out: -0.325,0.375 -0.2,0.5 0.2,0.5 0.325,0.375 0.325,-0.375 0.2,-0.5 -0.2,-0.5 -0.325,-0.375
  silkscreen extent -1.05,-0.55 1.05,0.55, body extent -0.52,-0.27 0.53,0.28, height 0.4
SYMBOL_R&M [mm] "Reichle & De-Massari printing"
  silkscreen extent -7.54,-1.8 7.47,2.13
TEXASINSTRUMENTS_16-VFQFN_16_R [mm]
  rect 0.85x0.28 smd: 1(-1.975,-0.75) 8(1.975,-0.75) 9(1.975,0.75) 16(-1.975,0.75)
  rect 0.28x0.85 smd: 2(-1.25,-1.725) 3(-0.75,-1.725) 4(-0.25,-1.725) 5(0.25,-1.725) 6(0.75,-1.725) 7(1.25,-1.725) 10(1.25,1.725) 11(0.75,1.725) 12(0.25,1.725) 13(-0.254,1.724) 14(-0.75,1.725) 15(-1.25,1.725)
  round 0.55 hole 0.3: 17(-0.55,0.55) 17(-0.55,-0.55) 17(0.55,0.55) 17(0.55,-0.55)
  rect 2.55x2.05 smd: 17(0,0)
  silkscreen extent -2.83,-1.83 2.07,1.83, body extent -2.07,-1.83 2.07,1.83, height 1
TEXASINSTRUMENTS_32-VFQFN_32_R [mm]
  rect 0.85x0.28 smd: 1(-2.475,1.75) 2(-2.475,1.25) 3(-2.475,0.75) 4(-2.475,0.25) 5(-2.475,-0.25) 6(-2.475,-0.75) 7(-2.475,-1.25) 8(-2.475,-1.75) 17(2.475,-1.75) 18(2.475,-1.25) 19(2.475,-0.75) 20(2.475,-0.25) 21(2.475,0.25) 22(2.475,0.75) 23(2.475,1.25) 24(2.475,1.75)
  rect 0.28x0.85 smd: 9(-1.75,-2.475) 10(-1.25,-2.475) 11(-0.75,-2.475) 12(-0.25,-2.475) 13(0.25,-2.475) 14(0.75,-2.475) 15(1.25,-2.475) 16(1.75,-2.475) 25(1.75,2.475) 26(1.25,2.475) 27(0.75,2.475) 28(0.25,2.475) 29(-0.25,2.475) 30(-0.75,2.475) 31(-1.25,2.475) 32(-1.75,2.475)
  rect 3.45x3.45 smd: 10(0,0)
  silkscreen extent -3.35,-2.57 2.58,2.57, body extent -2.58,-2.58 2.58,2.58, height 1

## Part data
*1 *2: library part SYMBOL_R&M, Footprint/Package=2.54mm, Replaceable=no
C1 C3 C5 C7 C9 C21: library part Cap_10nF_0402, "10000pF ±10% 50V Keramikkondensatoren X7R 0402 (1005 metrisch) CL05B103KB5NNNC", Dielectric Grade=X7R, Footprint/Package=0402, Manufacturer="Samsung Electro-Mechanics", Manufacturer PartNr=CL05B103KB5NNNC, Supplier Part Number 1=1276-1028-1-ND, Tolerance=±10%, voltage="50 VDC", ComponentLink1Description=mouser, ComponentLink1URL=https://www.mouser.ch/ProductDetail/Murata-Electronics/ZRB15XR61A106ME01D?qs=sGAEpiMZZMs0AnBnWHyRQN7%2fAA2D2lPPC0%2fdyv23S%2fU%252bBeuYI5b1UA%3d%3d, Replaceable=yes, Supplier 1=Digi-Key
C2 C4 C6 C8 C10: library part Cap_2.2uF_0402, "Multilayer Ceramic Capacitors MLCC - SMD/SMT 0402 2.2uF 6.3volts *Derate Voltage/Temp, 2.2µF ±20% 25V Ceramic Capacitor X5R 0402 (1005 Metric)", Dielectric Grade=X5R, Footprint/Package=0402, Manufacturer=Murata, Manufacturer PartNr=GRM155R60J225ME15D, Supplier Part Number 1=490-4519-1-ND, Tolerance=±20%, voltage=6,3V, ComponentLink1Description=digikey, ComponentLink1URL=https://www.digikey.com/product-detail/en/murata-electronics-north-america/GRM155R61E225ME15D/490-10457-2-ND/5027542, Replaceable=yes, Supplier 1=Digi-Key
C11: library part Cap_10pF_0402, "Multilayer Ceramic Capacitors MLCC - SMD/SMT 0402 10pF 50Volts C0G 1%", Dielectric Grade=C0G, Footprint/Package=0402, Manufacturer=Murata, Manufacturer PartNr=GJM1555C1H100FB01D, Supplier Part Number 1=81-GJM1555C1H100FB01, Tolerance=±1%, voltage="50 VDC", ComponentLink1Description=digikey, ComponentLink1URL=https://www.digikey.com/product-detail/en/murata-electronics-north-america/GRM155R61E225ME15D/490-10457-2-ND/5027542, Replaceable=yes, Supplier 1=Mouser
C12 C16 C17: library part Cap_3.3nF_0402, "Multilayer Ceramic Capacitors MLCC - SMD/SMT 0402 3300pF 50volts X7R 5%", Dielectric Grade=X7R, Footprint/Package=0402, Manufacturer=Murata, Manufacturer PartNr=GCM155R71H332JA37D, Supplier Part Number 1=490-16426-1-ND, Tolerance=±5%, voltage="50 VDC", ComponentLink1Description=digikey, ComponentLink1URL=https://www.digikey.com/product-detail/en/murata-electronics-north-america/GRM155R61E225ME15D/490-10457-2-ND/5027542, Replaceable=yes, Supplier 1=Digi-Key
C13 C14: library part Cap_15pF_0402, "Multilayer Ceramic Capacitors MLCC - SMD/SMT 0402 15pF 50Volts C0G 5%, Multilayer Ceramic Capacitors MLCC", Dielectric Grade=C0G, Footprint/Package=0402, Manufacturer=Murata, Manufacturer PartNr=GJM1555C1H150FB01D, Supplier Part Number 1=490-11191-1-ND, Tolerance=±1%, voltage="50 VDC", ComponentLink1Description=mouser, ComponentLink1URL=https://www.mouser.ch/ProductDetail/Murata-Electronics/ZRB15XR61A106ME01D?qs=sGAEpiMZZMs0AnBnWHyRQN7%2fAA2D2lPPC0%2fdyv23S%2fU%252bBeuYI5b1UA%3d%3d, Replaceable=yes, Supplier 1=Digi-Key
C15 C18: library part Cap_1.2nF_0402, "Multilayer Ceramic Capacitors MLCC - SMD/SMT 50V 1200pF C0G 0402 5%", Dielectric Grade=C0G, Footprint/Package=0402, Manufacturer=Kemet, Manufacturer PartNr=C0402C122J5GACTU, Supplier Part Number 1=399-7334-1-ND, Tolerance=±5%, voltage="50 VDC", ComponentLink1Description=mouser, ComponentLink1URL=https://www.mouser.ch/ProductDetail/Murata-Electronics/ZRB15XR61A106ME01D?qs=sGAEpiMZZMs0AnBnWHyRQN7%2fAA2D2lPPC0%2fdyv23S%2fU%252bBeuYI5b1UA%3d%3d, Replaceable=yes, Supplier 1=Digi-Key
C19 C20: library part Cap_2.2uF_0402_6.3V, "Multilayer Ceramic Capacitors MLCC - SMD/SMT 0402 2.2uF 6.3volts", Dielectric Grade=X5R, Footprint/Package="0402 (1005 metric)", Manufacturer=Murata, Manufacturer PartNr=GRM155R60J225ME15D, Supplier Part Number 1=81-GRM155R60J225ME5D, Tolerance=20%, voltage=6.3V, Replaceable=yes, Supplier 1=Mouser
C28_A C28_B C28_C C30_A C30_B C30_C: library part CMP-1033-00660-1, "0.1µF ±10% 10V Ceramic Capacitor X5R 0402 (1005 Metric)", Case-EIA=0201, Case-Metric=0603, Manufacturer="Taiyo Yuden", Rated Voltage="6.3 V", Tolerance=±10%, Manufacturer PartNr=LMK105BJ104KV-F, Max Thickness="0.33 mm", Technology=SMT
C31_A C31_B C31_C C32_A C32_B C32_C C37_A C37_B C37_C C39_A C39_B C39_C C46_A C46_B C46_C C53_A C53_B C53_C C60_A C60_B C60_C C67_A C67_B C67_C: library part 706xx_R+M_InteliPhyII_KTI-00070-A.1, "220pF ±1% 50V Ceramic Capacitor C0G, NP0 0402 (1005 Metric)", Manufacturer="Murata Electronics", Manufacturer PartNr=GRM033R71E122KA01D
C33_A C33_B C33_C C35_A C35_B C35_C C38_A C38_B C38_C C42_A C42_B C42_C C49_A C49_B C49_C C56_A C56_B C56_C C63_A C63_B C63_C C70_A C70_B C70_C: library part 706xx_R+M_InteliPhyII_KTI-00069-A.1, "150pF ±1% 50V Ceramic Capacitor C0G, NP0 0402 (1005 Metric)", Manufacturer="Murata Electronics North America", Manufacturer PartNr=GRM1555C1H151FA01D
C34_A C34_B C34_C C36_A C36_B C36_C C40_A C40_B C40_C C43_A C43_B C43_C C50_A C50_B C50_C C57_A C57_B C57_C C64_A C64_B C64_C C71_A C71_B C71_C: library part 706xx_R+M_InteliPhyII_KTI-00023-A.1, "4.7pF ±0.05pF 50V Ceramic Capacitor C0G, NP0 0402 (1005 Metric)", Manufacturer="Murata Electronics North America", Manufacturer PartNr=GJM1555C1H4R7WB01D
FB1: library part FERRITE_2K2-100MHz_0603, "FERRITE BEAD 1 KOHM 0402 1LN", Manufacturer="Taiyo Yuden", Manufacturer PartNr=BK1005HS102-T
J3: "Connector,Board to Board,DF12 Hirose DF12 Series 0.5mm 20 Way 2 Row Straight PCB Socket Surface Mount Board to Board", Manufacturer=Hirose, Mouser Part Number=798-DF12-20DS-0.5V86, RS Part Number=1722478, Allied_Number=R1051087, Allied Price/Stock=http://www.alliedelec.com/hirose-electric-df12-20ds-0-5v-86-/R1051087/, Datasheet Link=https://www.hirose.com/product/en/products/DF12, Manufacturer PartNr=DF12-20DS-0.5V(86), Mouser Price/Stock=https://www.mouser.com/Search/Refine.aspx?Keyword=798-DF12-20DS-0.5V86, RS Price/Stock=http://uk.rs-online.com/web/p/products/1722478
L1 L2: library part 706xx_R+M_InteliPhyII_KTI-00029-A.1, "100nH Unshielded Multilayer Inductor 300mA 100 mOhm Max 0603 (1608 Metric)", Manufacturer="Taiyo Yuden", Manufacturer PartNr=HK1608R10J-T
LED1_A LED1_B LED1_C LED2_A LED2_B LED2_C LED3_A LED3_B LED3_C LED4_A LED4_B LED4_C LED5_A LED5_B LED5_C LED6_A LED6_B LED6_C LED7_A LED7_B LED7_C LED8_A LED8_B LED8_C: library part 706xx_R+M_InteliPhyII_KTI-00048-A.2, "Red 630nm LED Indication - Discrete 1.95V 2-SMD, No Lead", Manufacturer=Kingbright, Manufacturer PartNr=APA1606SURCK, ShortDescription="Description (used in sheet)"
R1 R2 R3: library part Res_1K_0402, "RES SMD 1K OHM 1% 1/16W 0402", Footprint/Package="0402 (1005 metric)", Manufacturer=Yageo, Manufacturer PartNr=RC0402FR-071KL, power="0,063W, 1/16W", Supplier Part Number 1=311-1.00KLRCT-ND, Tolerance=±1%, Replaceable=yes, Supplier 1=Digi-Key
R4 R5: library part Res_10K_0402, "SMD 10K ohm 1% 50V General Purpose", Footprint/Package=0402, Manufacturer=Yageo, Manufacturer PartNr=RC0402FR-1010KL, power=63mW, Supplier Part Number 1=603-RC0402FR-1010KL, Tolerance=1%, ComponentLink1Description=mouser, ComponentLink1URL=https://www.mouser.ch/ProductDetail/Yageo/RC0402FR-1010KL?qs=sGAEpiMZZMtlubZbdhIBIEgN9MQql2m6Sb2LnYlCICU%3d, Replaceable=yes, Supplier 1=Mouser
R6_A R6_B R6_C R7_A R7_B R7_C R10_A R10_B R10_C R11_A R11_B R11_C R12_A R12_B R12_C R13_A R13_B R13_C R14_A R14_B R14_C R15_A R15_B R15_C: library part PassResBas0201-00055-A.2, "68 Ohms ±1% 0.125W, 1/8W Chip Resistor 0402 (1005 Metric) Pulse Withstanding Thick Film", Manufacturer="TE Connectivity Passive Product", #Class=Passiv-Components, #ClassSub="Resistor SMD", Manufacturer PartNr=CRGP0402F68R, Status=nLager
R8_A R8_B R8_C R9_A R9_B R9_C R17_A R17_B R17_C R19_A R19_B R19_C R21_A R21_B R21_C R23_A R23_B R23_C R25_A R25_B R25_C R27_A R27_B R27_C: library part PassResBas0201-00055-A.2, "620 Ohms ±1% 0.1W, 1/10W Chip Resistor 0402 (1005 Metric) Automotive AEC-Q200 Thick Film", Manufacturer="Panasonic Electronic Components", #Class=Passiv-Components, #ClassSub="Resistor SMD", Manufacturer PartNr=ERJ-2RKF6200X, Status=nLager
U1: library part TexasInstruments_TRF7960ARHBT_32-VFQFN_32, Manufacturer="Texas Instruments", Manufacturer PartNr=TRF7960ARHBT
U3_A U3_B U3_C: library part NexperiaUSAInc_74AHC595,115_16-VFQFN_16, "IC 8BIT SHIFT REGISTER 16HVQFN", Manufacturer="Nexperia USA Inc.", Manufacturer PartNr=74AHC595BQ,115
U4_A U4_B U4_C: library part SN74CBTLV3251RGYR, "Multiplexer Switch ICs Sngl-Pole Dbl-Throw Analog Switch", Footprint/Package=VQFN-16, Manufacturer="Texas Instruments", Supplier Part Number 1=595-SN74CBTLV3251RGY, ComponentLink1Description=mouser, ComponentLink1URL=https://www.mouser.ch/ProductDetail/Texas-Instruments/SN74CBTLV3251RGYR?qs=%2fha2pyFaduj0jkaZeFbDsRaCQjjoxFIhZ%2frFxSESrMpT%252bYmeDnewIw%3d%3d, Manufacturer PartNr=SN74CBTLV3251RGYR, Replaceable=no, Supplier 1=Mouser, Supplier 2=Digi-Key, Supplier Part Number 2=296-15105-6-ND
Y1: library part CRYSTAL_4Pin_1_3_1, "13.56MHz ±10ppm Crystal 12pF 150 Ohms 4-SMD, No Lead", Manufacturer="Kyocera International Inc. Electronic Components", Manufacturer PartNr=CX2520DB13560H0FLJC1
U5_A U5_B U5_C U6_A U6_B U6_C U7_A U7_B U7_C U9_A U9_B U9_C U11_A U11_B U11_C U13_A U13_B U13_C U15_A U15_B U15_C U17_A U17_B U17_C: Replaceable=no

## Via types
v1: diameter 0.5, hole 0.3, Top Layer to Bottom Layer, tented both sides, 239 vias
v2: diameter 0.6, hole 0.3, Top Layer to Bottom Layer, tented both sides, 24 vias
v3: diameter 0.55, hole 0.3, Top Layer to Bottom Layer, tented both sides, 23 vias
v4: diameter 0.55, hole 0.3, Top Layer to Bottom Layer, tented bottom, 9 vias